# Altium PCB Rat Social Box Extension.PcbDoc
Units mil, origin at the board's own origin, x right, y up, seen from the top; angles counter-clockwise.
Board outline 2834.65 x 2834.65 mil, 2 copper layers (Top Layer, Bottom Layer), stack 61.811 mil thick; 101 components, 64 nets, 323 pads, 95 vias.
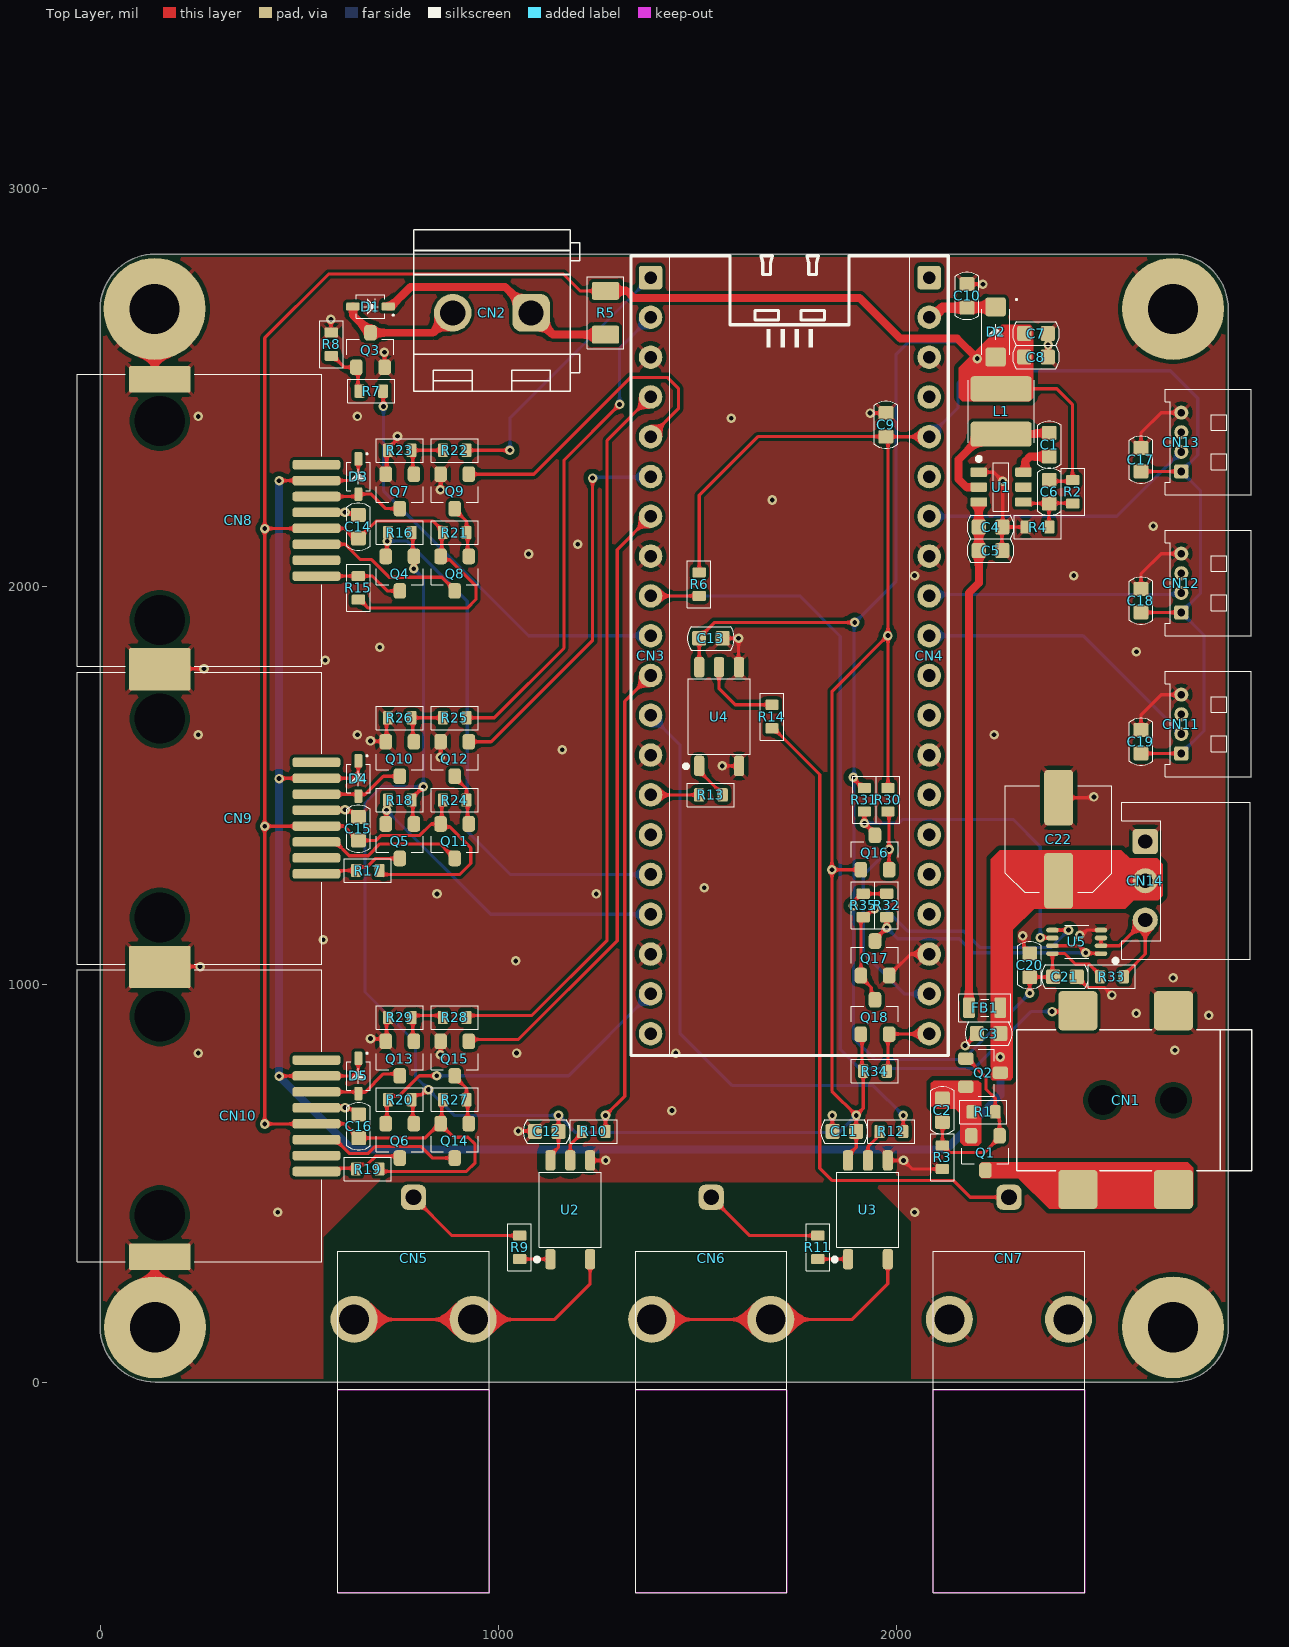
[diagram p0: Top Layer view]
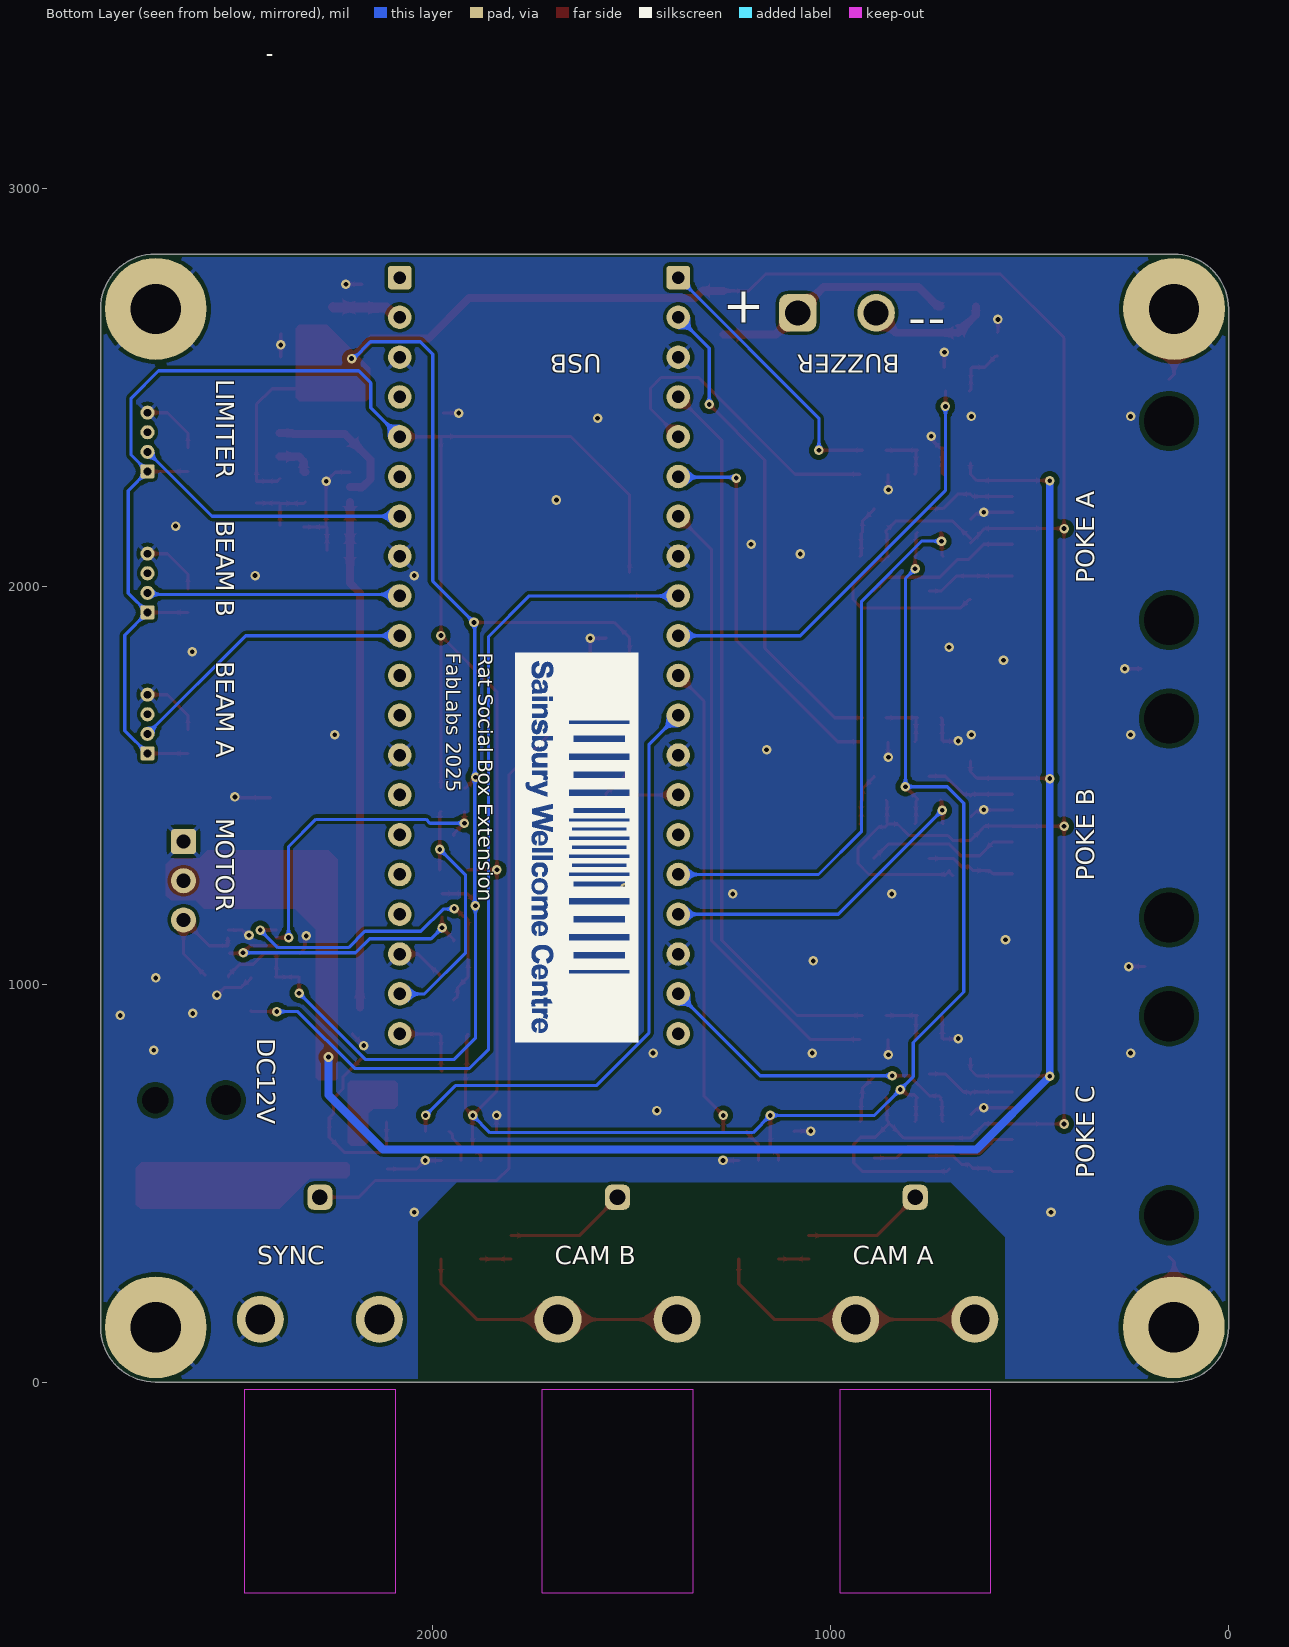
[diagram p1: Bottom Layer view, seen from below]
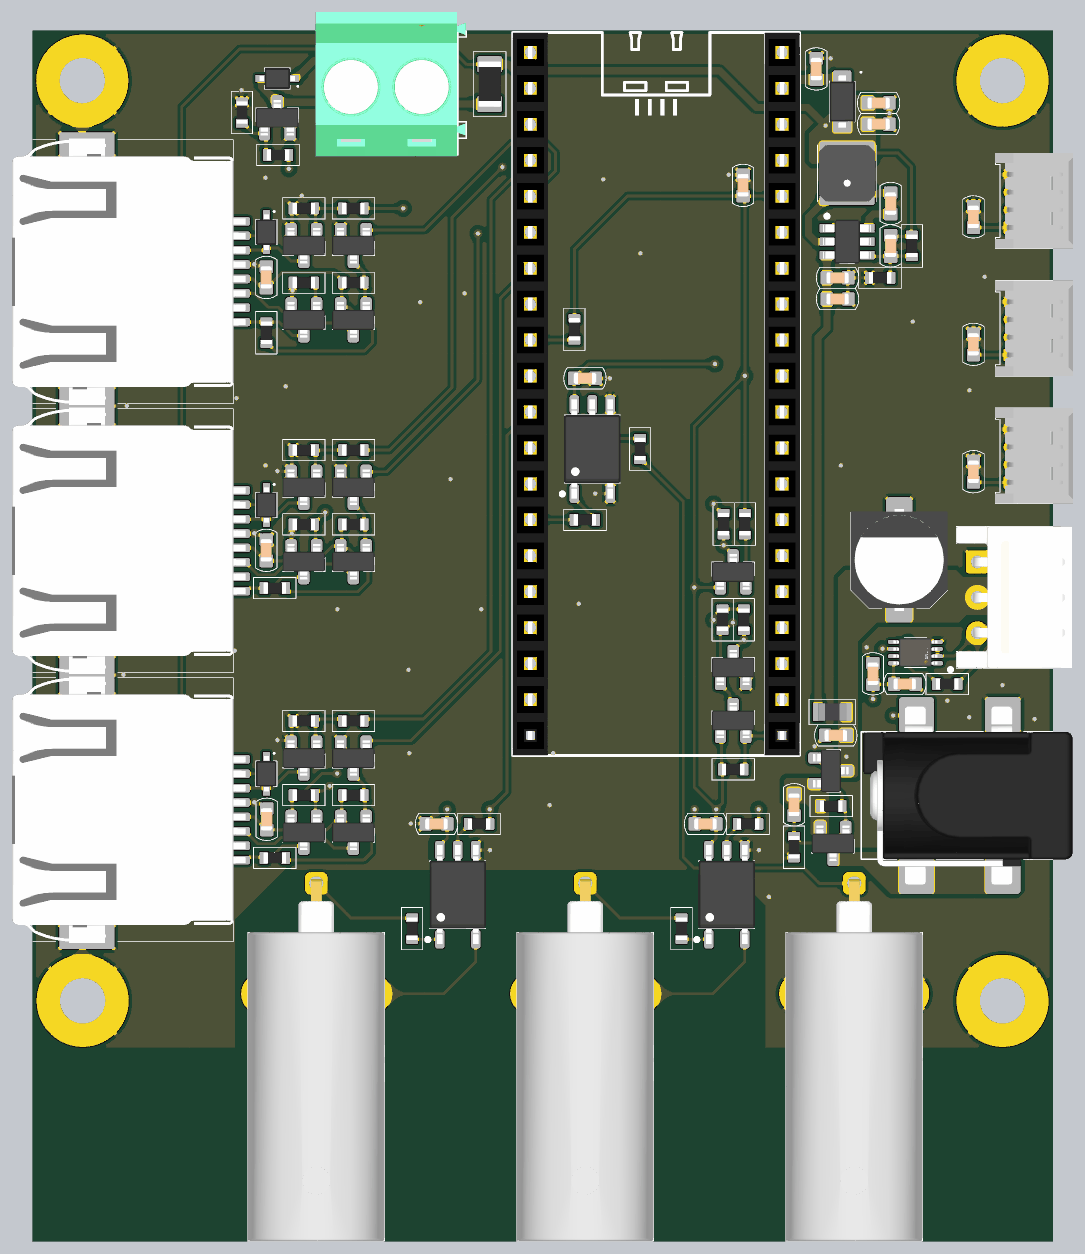
[diagram p2: 3D render of the assembled board from above, using the file's embedded part models]

## Layer stack, top to bottom
Top Solder: solder mask 0.5, Solder Resist, Dk 3.8
Top Layer: signal copper 1.378
Dielectric: core 59.0551, FR-4, Dk 4.5
Bottom Layer: signal copper 1.378
Bottom Solder: solder mask 0.5, Solder Resist, Dk 3.8

## Board outline
0,137.8 0,2696.85 cw(c137.8,2696.85) 137.8,2834.65 2696.85,2834.65 cw(c2696.85,2696.85) 2834.65,2696.85 2834.65,137.8 cw(c2696.85,137.8) 2696.85,0 137.8,0 cw(c137.8,137.8)

## Design rules (kind name [scope] priority, off if disabled: settings)
BoardOutlineClearance [(OnLayer('Bottom Overlay') OR OnLayer('Top Overlay'))] p1: gap=0 ignorepadtopadclearanceinfootprint=FALSE
BoardOutlineClearance BoardOutlineClearance_1 [All] p2: gap=7.87 ignorepadtopadclearanceinfootprint=FALSE
Clearance Clearance_Power [IsRegion vs Not InComponent('U2')] p1: gap=8 ignorepadtopadclearanceinfootprint=TRUE except(12: Via-Via Via-Fill Via-Poly Via-Region Via-Text Via-Hole Fill-Fill Fill-Poly Fill-Region Fill-Hole Poly-Poly Poly-Region Poly-Hole Region-Region Region-Hole Text-Text Text-Hole; 20: Fill-Text Poly-Text Region-Text)
Clearance Clearance_polygon [InPolygon] p2: gap=20 ignorepadtopadclearanceinfootprint=FALSE
Clearance [All] p3: gap=5 ignorepadtopadclearanceinfootprint=FALSE except(8: Arc-Hole Track-Hole Via-Hole Fill-Hole Poly-Hole Region-Hole Text-Hole)
ComponentClearance [All] p1: gap=3.5 collisioncheckmode=3 verticalgap=3.5 showdistances=TRUE
DiffPairsRouting JLCPCB_4L_90Ohm [InDifferentialPairClass('USB')] p1: maxlimit=5 minlimit=5 mostfreqgap=5 toplayer_minwidth=7.58 toplayer_maxwidth=7.58 toplayer_prefwidth=7.58 bottomlayer_minwidth=7.58 bottomlayer_maxwidth=7.58 bottomlayer_prefwidth=7.58 impedanceprofiledriven=TRUE maxuncoupledlength=500
DiffPairsRouting JLCPCB_4L_120Ohm [InDifferentialPairClass('RS485')] p2: maxlimit=8 minlimit=8 mostfreqgap=8 toplayer_minwidth=4.52 toplayer_maxwidth=4.52 toplayer_prefwidth=4.52 bottomlayer_minwidth=4.52 bottomlayer_maxwidth=4.52 bottomlayer_prefwidth=4.52 impedanceprofiledriven=TRUE maxuncoupledlength=500
Height [All] p1: minheight=0 maxheight=71497.94 prefheight=500
HoleSize [All] p1: absolutevalues=TRUE maxlimit=248.03 minlimit=7.87 maxpercent=80.000 minpercent=20.000
HoleToHoleClearance [All] p1: gap=9.84 allowstackedmicrovias=FALSE
MinimumAnnularRing [All] p1: minimumring=3
MinimumSolderMaskSliver [All] p1: minsoldermaskwidth=0
PlaneClearance [All] p1: clearance=3.5
PlaneConnect PlaneConnectPowerPads [InPadClass('PowerPads')] p1: planeconnectstyle=Direct reliefexpansion=20 reliefentries=4 reliefconductorwidth=10 reliefairgap=10
PlaneConnect [All] p2: pad.planeconnectstyle=Relief pad.reliefexpansion=11.81 pad.reliefentries=4 pad.reliefconductorwidth=3.5 pad.reliefairgap=3.5 via.planeconnectstyle=Direct via.reliefexpansion=11.81 via.reliefentries=4 via.reliefconductorwidth=5 via.reliefairgap=5
PolygonConnect PolygonConnectPowerPads [(InNet('GND') OR InNet('3V3') OR InNet('3V3A'))] p1: thpad.connectstyle=Relief thpad.reliefconductorwidth=10 thpad.reliefentries=4 thpad.polygonreliefangle="45 Angle" thpad.airgapwidth=10 smdpad.connectstyle=Relief smdpad.reliefconductorwidth=10 smdpad.reliefentries=4 smdpad.polygonreliefangle="45 Angle" smdpad.airgapwidth=10 via.connectstyle=Direct via.reliefconductorwidth=10 via.reliefentries=4 via.polygonreliefangle="45 Angle" via.airgapwidth=10
PolygonConnect [All] p2: connectstyle=Direct reliefconductorwidth=3.5 reliefentries=4 polygonreliefangle="90 Angle" airgapwidth=3.5
RoutingVias [All] p1: holewidth=7.87 width=17.72 viastyle="Through Hole" minholewidth=7.87 minwidth=17.72 maxholewidth=248.03 maxwidth=257.87
SMDNeckDown [All] p1 off: percent=50.000
SilkToSilkClearance [All] p1: silktosilkclearance=0
SilkToSolderMaskClearance [IsPad] p1 off: minsilkscreentomaskgap=3.5 clearancetoexposedcopper=TRUE
SolderMaskExpansion SolderMaskExpansion_1 [IsVia] p1: expansion=4 istentingtop=TRUE
SolderMaskExpansion [All] p2: expansion=2.95 istentingtop=FALSE
SupplyNets "Schematic Supply Nets_3" [InNet('12V')] p1: voltage=0.000
SupplyNets "Schematic Supply Nets_2" [InNet('GND')] p2: voltage=0.000
SupplyNets "Schematic Supply Nets_1" [InNet('3V3')] p3: voltage=0.000
SupplyNets "Schematic Supply Nets" [InNet('5V')] p4: voltage=0.000
Width [All] p1: maxlimit=71497.94 minlimit=3.5 preferedwidth=3.5
20 further rules are at their usual default settings.

## Classes and differential pairs
component class SENSOR: C17 C18 C19 CN11 CN12 CN13
component class "Rat Social Box Extension": C1 C2 C3 C4 C5 C6 C7 C8 C10 CN1 CN2 CN3 CN4 D1 D2 FB1 L1 Q1 Q2 Q3 R1 R2 R3 R4 R5 R6 R7 R8 U1
component class "Nose Poke": C14 C15 C16 CN8 CN9 CN10 D3 D4 D5 Q4 Q5 Q6 Q7 Q8 Q9 Q10 Q11 Q12 Q13 Q14 Q15 R15 R16 R17 R18 R19 R20 R21 R22 R23 R24 R25 R26 R27 R28 R29
component class "Motor Interface": C20 C21 C22 CN14 Q16 Q17 Q18 R30 R31 R32 R35 U5
component class "BNC IO": C11 C12 C13 CN5 CN6 CN7 R9 R10 R11 R12 R13 R14 U2 U3 U4

## Components (designator, comment, footprint, x,y, rotation, side; value= is the part's Value field where it differs from the comment)
C1 "C0603-100nF-50V" CAP_CHIP_0603 2384.84,2355.32 r270 top value=100nF
C2 "C0603-100nF-50V" CAP_CHIP_0603 2116.14,683.07 r90 top value=100nF
C3 "C0603-10uF-25V" CAP_CHIP_0603 2232.28,875.98 r0 top value=10µF
C4 "C0603-10uF-25V" CAP_CHIP_0603 2237.2,2148.62 r180 top value=10µF
C5 "C0603-100nF-50V" CAP_CHIP_0603 2237.2,2089.57 r180 top value=100nF
C6 "C0603-100pF-50V" CAP_CHIP_0603 2384.84,2237.2 r90 top value=100pF
C7 "C0603-22uF-6V3" CAP_CHIP_0603 2351.38,2634.84 r180 top value=22µF
C8 "C0603-22uF-6V3" CAP_CHIP_0603 2351.38,2575.79 r180 top value=22µF
C9 "C0603-10uF-25V" CAP_CHIP_0603 1974.41,2405.51 r270 top value=10µF
C10 "C0603-10uF-25V" CAP_CHIP_0603 2178.15,2729.33 r270 top value=10µF
C11 "C0603-100nF-50V" CAP_CHIP_0603 1870.08,629.92 r0 top value=100nF
C12 "C0603-100nF-50V" CAP_CHIP_0603 1122.05,629.92 r0 top value=100nF
C13 "C0603-100nF-50V" CAP_CHIP_0603 1534.65,1869.09 r180 top value=100nF
C14 "C0603-10uF-25V" CAP_CHIP_0603 648.62,2149.61 r270 top value=10µF
C15 "C0603-10uF-25V" CAP_CHIP_0603 648.62,1390.75 r270 top value=10µF
C16 "C0603-10uF-25V" CAP_CHIP_0603 649.61,642.72 r270 top value=10µF
C17 "C0603-10uF-25V" CAP_CHIP_0603 2615.16,2317.91 r270 top value=10µF
C18 "C0603-10uF-25V" CAP_CHIP_0603 2615.16,1963.58 r270 top value=10µF
C19 "C0603-10uF-25V" CAP_CHIP_0603 2615.16,1609.25 r270 top value=10µF
C20 "C0603-10uF-25V" CAP_CHIP_0603 2335.63,1047.24 r270 top value=10µF
C21 "C0603-100nF-50V" CAP_CHIP_0603 2424.21,1018.7 r180 top value=100nF
C22 "SC63-220uF-25V" ECAP_SMD_6.3 2408.46,1364.17 r90 top value=220µF
CN1 "PWR" DC-005-2.0 2598.43,708.66 r180 top
CN2 "BUZZER" TH-5.00-1X2P 984.25,2687.01 r180 top
CN3 "PICO-L" FM_2.54_1X20P 1382.87,1825.59 r270 top
CN4 "PICO-R" FM_2.54_1X20P 2082.87,1825.59 r270 top
CN5 "CAM_A" BNC-MOLEX-731000105 787.4,157.48 r180 top
CN6 "CAM_B" BNC-MOLEX-731000105 1535.43,157.48 r180 top
CN7 "SIG_OUT" BNC-MOLEX-731000105 2283.46,157.48 r180 top
CN8 "POKE_A" 6339160-1 149.61,2165.35 r270 top
CN9 "POKE_B" 6339160-1 149.61,1417.32 r270 top
CN10 "POKE_C" 6339160-1 149.61,669.29 r270 top
CN11 "BEAM_DOOR" MOLEX_1.25_R_DIP_4P 2716.54,1653.54 r90 top
CN12 "BEAM_HOLE" MOLEX_1.25_R_DIP_4P 2716.54,2007.87 r90 top
CN13 "LIMITER" MOLEX_1.25_R_DIP_4P 2716.54,2362.2 r90 top
CN14 "DYNAMIXEL" EH_90_1X3P 2728.35,1259.84 r270 top
D1 "1N4148SW" SOD323 679.13,2702.76 r180 top
D2 "SBR0560S1-7" SOD123 2250,2638.78 r270 top
D3 "1N4148SW" SOD323 648.62,2275.59 r270 top
D4 "1N4148SW" SOD323 648.62,1516.73 r270 top
D5 "1N4148SW" SOD323 648.62,769.29 r270 top
FB1 "FB0805-600R-0.5A" FB_CHIP_0805 2222.44,940.94 r180 top value=600R@100MHz
L1 "L-PWR-100uH-0.26A" IND_PWR_0402L 2263.78,2438.98 r90 top value=100uH
Q1 "AO3401A" SOT23 2224.41,575.79 r90 top
Q2 "AO3401A" SOT23 2218.5,777.56 r180 top
Q3 "MMBT5551" SOT23 679.13,2593.5 r270 top
Q4 "AO3400A" SOT23 752.95,2031.5 r90 top
Q5 "AO3400A" SOT23 752.95,1359.25 r90 top
Q6 "AO3400A" SOT23 752.95,606.3 r90 top
Q7 "MMBT5551" SOT23 752.95,2238.19 r90 top
Q8 "AO3401A" SOT23 890.75,2031.5 r90 top
Q9 "AO3400A" SOT23 890.75,2238.19 r90 top
Q10 "MMBT5551" SOT23 752.95,1565.94 r90 top
Q11 "AO3401A" SOT23 890.75,1359.25 r90 top
Q12 "AO3400A" SOT23 890.75,1565.94 r90 top
Q13 "MMBT5551" SOT23 752.95,812.99 r90 top
Q14 "AO3401A" SOT23 890.75,606.3 r90 top
Q15 "AO3400A" SOT23 890.75,812.99 r90 top
Q16 "AO3400A" SOT23 1946.85,1330.71 r270 top
Q17 "AO3400A" SOT23 1946.85,1064.96 r270 top
Q18 "AO3400A" SOT23 1946.85,917.32 r270 top
R1 "R0603-1M" RES_CHIP_0603 2219.49,679.13 r180 top value=1M
R2 "R0603-20K" RES_CHIP_0603 2443.9,2237.2 r90 top value=20k
R3 "R0603-100K" RES_CHIP_0603 2116.14,564.96 r90 top value=100k
R4 "R0603-2K7" RES_CHIP_0603 2355.32,2148.62 r0 top value=2.7k
R5 "R1206-0R" RES_CHIP_1206 1269.68,2687.01 r90 top value=0
R6 "R0603-100K" RES_CHIP_0603 1505.12,2005.12 r90 top value=100k
R7 "R0603-1K" RES_CHIP_0603 681.1,2490.16 r0 top value=1k
R8 "R0603-100K" RES_CHIP_0603 580.71,2608.27 r270 top value=100k
R9 "R0603-470R" RES_CHIP_0603 1054.13,338.58 r270 top value=470
R10 "R0603-1K" RES_CHIP_0603 1240.16,629.92 r0 top value=1k
R11 "R0603-470R" RES_CHIP_0603 1803.15,338.58 r270 top value=470
R12 "R0603-1K" RES_CHIP_0603 1988.19,629.92 r0 top value=1k
R13 "R0603-470R" RES_CHIP_0603 1534.65,1475.59 r180 top value=470
R14 "R0603-1K" RES_CHIP_0603 1687.99,1672.44 r90 top value=1k
R15 "R0603-10K" RES_CHIP_0603 648.62,1995.83 r270 top value=10k
R16 "R0603-10K" RES_CHIP_0603 752.95,2134.84 r0 top value=10k
R17 "R0603-10K" RES_CHIP_0603 672.24,1285.43 r0 top value=10k
R18 "R0603-10K" RES_CHIP_0603 752.95,1462.6 r0 top value=10k
R19 "R0603-10K" RES_CHIP_0603 672.24,535.43 r0 top value=10k
R20 "R0603-10K" RES_CHIP_0603 752.95,709.65 r0 top value=10k
R21 "R0603-1M" RES_CHIP_0603 890.75,2134.84 r180 top value=1M
R22 "R0603-1K" RES_CHIP_0603 890.75,2341.54 r0 top value=1k
R23 "R0603-100K" RES_CHIP_0603 752.95,2341.54 r0 top value=100k
R24 "R0603-1M" RES_CHIP_0603 890.75,1462.6 r180 top value=1M
R25 "R0603-1K" RES_CHIP_0603 890.75,1669.29 r0 top value=1k
R26 "R0603-100K" RES_CHIP_0603 752.95,1669.29 r0 top value=100k
R27 "R0603-1M" RES_CHIP_0603 890.75,709.65 r180 top value=1M
R28 "R0603-1K" RES_CHIP_0603 890.75,916.34 r0 top value=1k
R29 "R0603-100K" RES_CHIP_0603 752.95,916.34 r0 top value=100k
R30 "R0603-2K2" RES_CHIP_0603 1979.33,1463.58 r90 top value=2.2k
R31 "R0603-2K2" RES_CHIP_0603 1920.28,1463.58 r90 top value=2.2k
R32 "R0603-2K2" RES_CHIP_0603 1976.38,1197.83 r90 top value=2.2k
R33 "R0603-2K2" RES_CHIP_0603 2542.32,1018.7 r180 top value=2.2k
R34 "R0603-2K2" RES_CHIP_0603 1946.85,781.5 r180 top value=2.2k
R35 "R0603-2K2" RES_CHIP_0603 1917.32,1197.83 r90 top value=2.2k
U1 "TPS54202" SOT23-6 2263.78,2249.02 r270 top
U2 "TLP2361" SO5 1181.1,433.07 r0 top
U3 "TLP2361" SO5 1929.13,433.07 r0 top
U4 "TLP2361" SO5 1555.12,1672.44 r0 top
U5 "SN74LVC2G241" VSSOP8_2X2.3_0.5E 2453.74,1106.3 r90 top

## Footprints (in the part's own frame and the unit in brackets; to place one, negate y for a bottom-side part, rotate by r counter-clockwise, add the part's x,y. Pads: shape width x height; smd on the part's side, far side on the other; paste and mask are expansions set on the pad)
6339160-1 [mm] "Modular Connectors / Ethernet Connectors 8 contacts;Ultra Low profile;RA TH; RJ45"
  rrect10% 1.7x3.9 smd: 0(-9,0) 0(9,0)
  rrect50% 0.61x3.05 smd: 1(3.556,10) 2(2.54,10) 3(1.524,10) 4(0.508,10) 5(-0.508,10) 6(-1.524,10) 7(-2.54,10) 8(-3.556,10)
  round 0 hole 3.2: ""(-6.35,0) ""(6.35,0)
  silkscreen extent -9.32,-5.28 9.32,10.34, body extent -9.4,-5.28 9.4,11.21, height 14.82
BNC-MOLEX-731000105 [mm] "BNC RF Interface, Jack, 50 O, Bayonet, 4 GHz Operating Frequency, Cable-to-Board, 1 Position, Printed Circuit Board, Panel Mount"
  rrect50% 1.6x1.6 hole 1 paste-2539.97 mask+0.051: 1(0,-7.8)
  round 3 hole 1.9: 2(-3.8,0) 2(3.8,0)
  Keep-Out Layer board cut-out: 4.827,17.458 4.827,4.473 -4.823,4.473 -4.823,17.458
  silkscreen extent -4.83,-4.34 4.83,17.46, body extent -4.82,-8.1 4.82,17.45, height 9.36
CAP_CHIP_0603 [mm]
  rrect25% 0.9x0.95 smd: 1(-0.75,0) 2(0.75,0)
  silkscreen extent -1.5,-0.75 1.5,0.75, body extent -0.8,-0.4 0.8,0.4, height 0.8
DC-005-2.0 [mm] "Surface Mount,Right Angle 2.5A 24V SMD DC Power Connector"
  round 0 hole 1.7 unplated: 0(-2.5,0)
  round 0 hole 1.9 unplated: 0(2,0)
  rrect20% 2.5x2.5 smd paste+0 mask+0.05: 1(-2.5,5.7) 1(3.6,5.7) 2(-2.5,-5.7) 3(3.6,-5.7)
  silkscreen extent -7.5,-4.5 7.5,4.5, body extent -7.42,-6.3 7.38,6.3, height 11.2
ECAP_SMD_6.3 [mm] "Aluminum Electrolytic Capacitor, Body 6.60x6.60x6.00mm, IPC Low Density"
  rrect25% 3.55x1.85 smd: 1(-2.65,0) 2(2.65,0)
  silkscreen extent -3.4,-3.4 3.4,3.4, body extent -3.6,-3.4 3.6,3.4, height 6
EH_90_1X3P [mm]
  rrect25% 1.6x1.6 hole 0.9: 1(-2.5,-2.6)
  round 1.6 hole 0.9: 2(0,-2.6) 3(2.5,-2.6)
  silkscreen extent -5,-4.1 5,4.1, body extent -5,-4.1 5,4.1, height 4.3
FB_CHIP_0805 [mm]
  rrect25% 0.75x1.3 smd: 1(-1,0) 2(1,0)
  silkscreen extent -1.65,-0.9 1.65,0.9, body extent -1,-0.62 1,0.63, height 0.85
FM_2.54_1X20P [mm]
  rrect25% 1.5x1.5 hole 0.8: 1(-24.13,0)
  round 1.5 hole 0.8: 2(-21.59,0) 3(-19.05,0) 4(-16.51,0) 5(-13.97,0) 6(-11.43,0) 7(-8.89,0) 8(-6.35,0) 9(-3.81,0) 10(-1.27,0) 11(1.27,0) 12(3.81,0) 13(6.35,0) 14(8.89,0) 15(11.43,0) 16(13.97,0) 17(16.51,0) 18(19.05,0) 19(21.59,0) 20(24.13,0)
  silkscreen extent -25.52,-1.25 25.53,1.22, body extent -25.52,-1.25 25.53,1.25, height 8.51
IND_PWR_0402L [mm] "Precision Wire Wound Inductor, 2-Leads, Body 4.30x4.00mm, IPC Medium Density"
  rrect25% 1.6x3.9 smd: 1(-1.45,0) 2(1.45,0)
  silkscreen extent -2,-2.1 2,2.1, body extent -2,-2 2,2, height 2.4
MOLEX_1.25_R_DIP_4P [mm]
  rrect25% 0.9x0.9 hole 0.5: 1(-1.875,0)
  round 0.9 hole 0.5: 2(-0.625,0) 3(0.625,0) 4(1.875,0)
  silkscreen extent -3.37,-4.47 3.37,1.02, body extent -3.37,-4.45 3.37,1.05, height 3.5
RES_CHIP_0603 [mm]
  rrect25% 0.65x0.85 smd: 1(-0.75,0) 2(0.75,0)
  silkscreen extent -1.5,-0.75 1.5,0.75, body extent -0.8,-0.4 0.8,0.4, height 0.45
RES_CHIP_1206 [mm]
  rrect25% 1.15x1.75 smd: 1(-1.4,0) 2(1.4,0)
  silkscreen extent -2.3,-1.15 2.3,1.15, body extent -1.6,-0.8 1.6,0.8, height 0.55
SO5 [mm] "SOP, 4-Leads, Body 4.55x3.70mm, Pitch 1.27mm, IPC Medium Density"
  rrect50% 0.65x1.3 smd: 1(-1.27,-3.15) 3(1.27,-3.15) 4(1.27,3.15) 5(0,3.15) 6(-1.27,3.15)
  silkscreen extent -2.24,-3.3 1.98,2.4, body extent -2,-3.5 2,3.5, height 2.2
SOD123 [mm]
  rrect25% 1.2x1.3 smd: 1(-1.6,0) 2(1.6,0)
  silkscreen extent -2.12,-0.9 1.45,1.38, body extent -1.85,-0.9 1.85,0.9, height 1.35
SOD323 [mm]
  rrect25% 0.85x0.5 smd: 1(-1.125,0) 2(1.125,0)
  silkscreen extent -1.5,-0.75 0.9,0.75, body extent -1.25,-0.72 1.25,0.72, height 1.2
SOT23 [mm] "SOT23, 3-Leads, Body 2.90x2.40mm, Pitch 0.90mm, IPC Medium Density"
  rrect50% 1x0.8 smd: 1(1.1,-0.9) 2(1.1,0.9) 3(-1.1,0)
  silkscreen extent -0.7,-1.5 0.3,1.5, body extent -1.25,-1.5 1.25,1.5, height 0.92
SOT23-6 [mm]
  rrect25% 0.6x1.05 smd: 1(-0.95,-1.425) 2(0,-1.425) 3(0.95,-1.425) 4(0.95,1.425) 5(0,1.425) 6(-0.95,1.425)
  silkscreen extent -1.92,-1.55 1.55,0.5, body extent -1.55,-1.7 1.55,1.7, height 1.45
TH-5.00-1X2P [mm]
  rrect50% 2.4x2.4 hole 1.6 paste-2539.97 mask+0.051: 1(-2.5,0)
  round 2.4 hole 1.6 paste-2539.97 mask+0.051: 2(2.5,0)
  silkscreen extent -5.6,-5.3 5,5, body extent -5.55,-5.1 5.05,5.1, height 14.05
VSSOP8_2X2.3_0.5E [mm]
  oval 0.3x0.8 smd: 1(-0.75,-1.55) 2(-0.25,-1.55) 3(0.25,-1.55) 4(0.75,-1.55) 5(0.75,1.55) 6(0.25,1.55) 7(-0.25,1.55) 8(-0.75,1.55)
  silkscreen extent -1.32,-2.6 1.05,0.78, body extent -1.3,-2.05 1.3,2.05, height 0.25
